# Altium PCB PCB1.PcbDoc
Units mm, origin at the board's own origin, x right, y up, seen from the top; angles counter-clockwise.
Board outline 100 x 55 mm, 2 copper layers (Top Layer, Bottom Layer); 52 components, 39 nets, 154 pads, 25 vias.
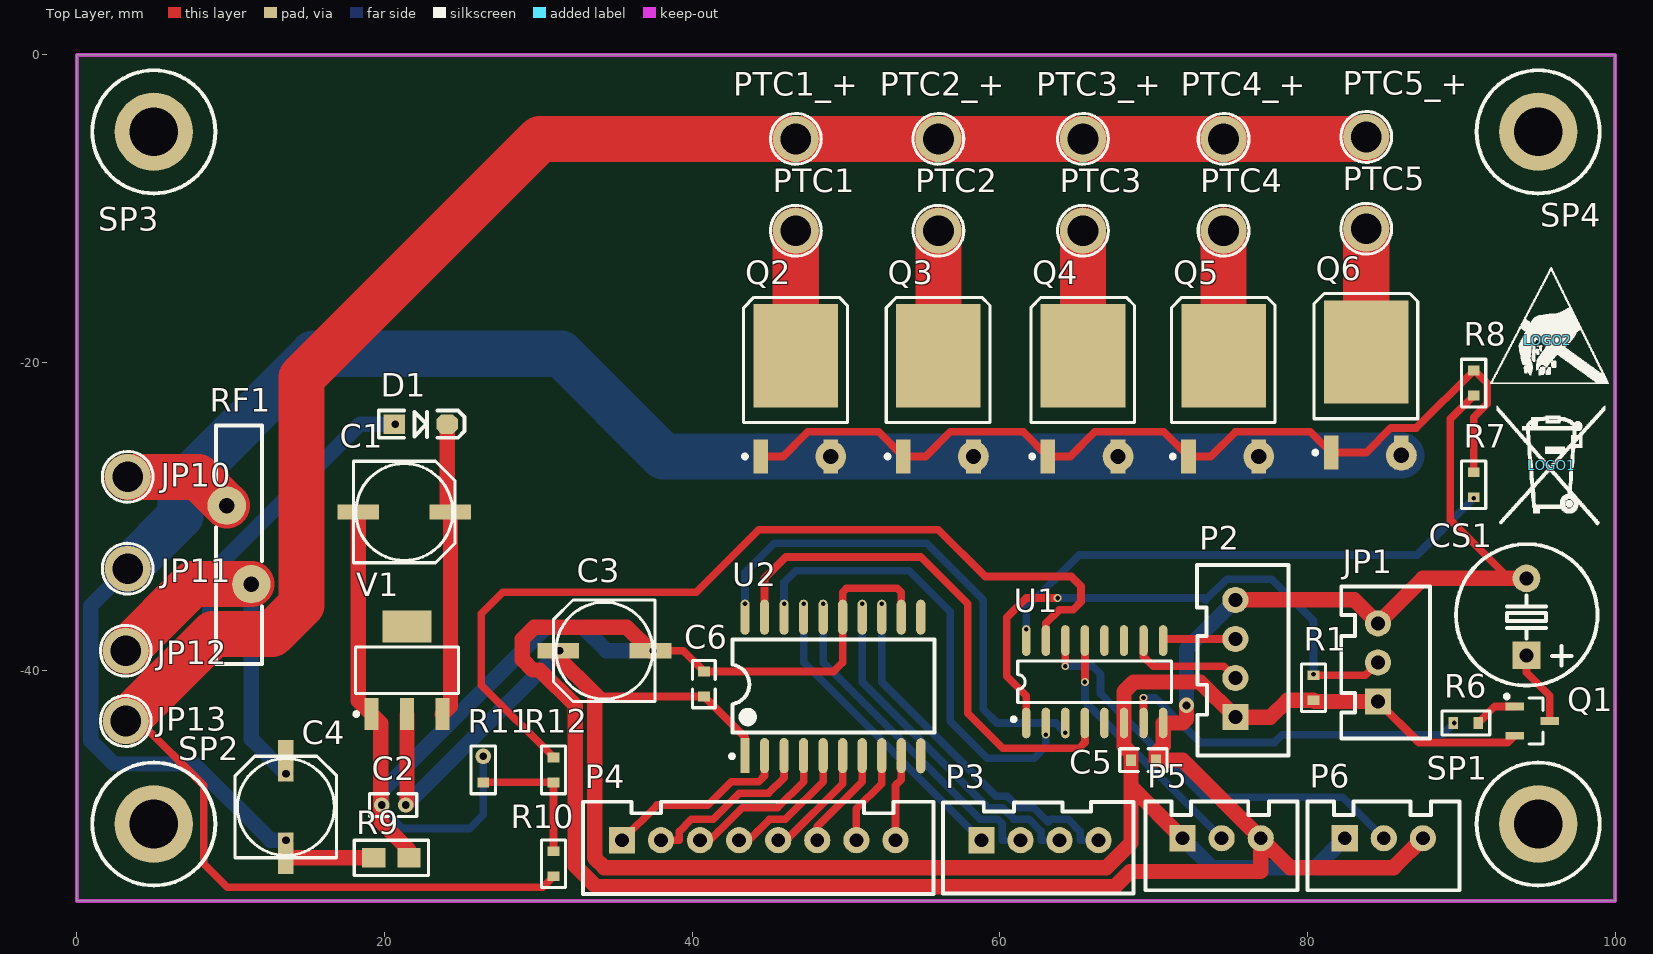
[diagram p0: Top Layer view]
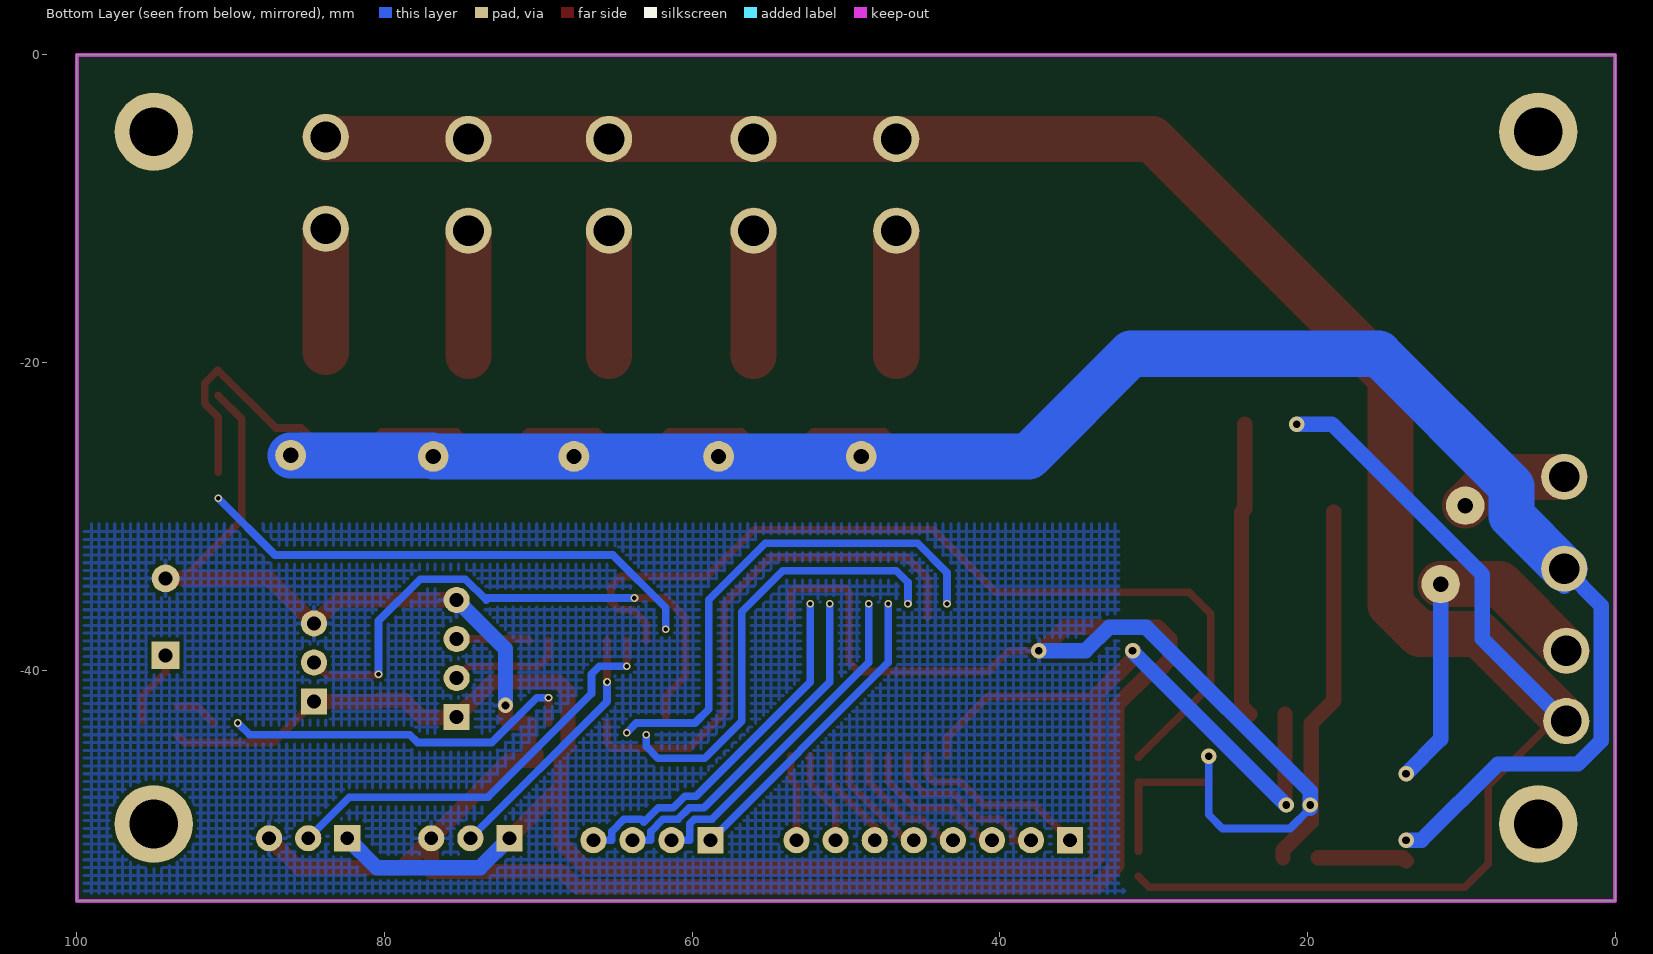
[diagram p1: Bottom Layer view, seen from below]
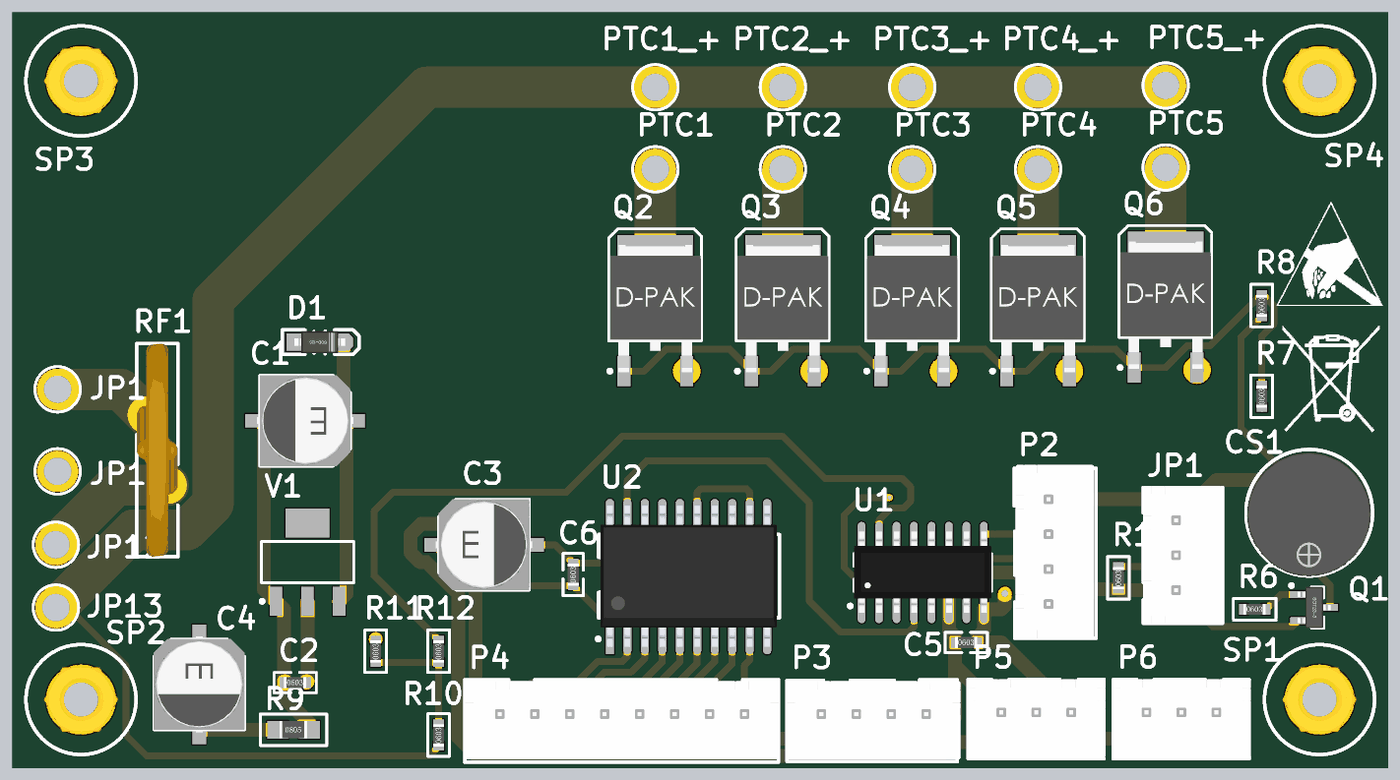
[diagram p2: 3D render of the assembled board from above, using the file's embedded part models]

## Layer stack, top to bottom
Top Solder: solder mask 0.0102, Solder Resist, Dk 3.5
Top Layer: signal copper 0.0356
Dielectric 1: dielectric 0.32, FR-4, Dk 4.8
Bottom Layer: signal copper 0.0356
Bottom Solder: solder mask 0.0102, Solder Resist, Dk 3.5

## Board outline
0,-55 0,0 100,0 100,-55

## Design rules (kind name [scope] priority, off if disabled: settings)
Clearance [All] p1: gap=0.254 ignorepadtopadclearanceinfootprint=FALSE except(0: Arc-Hole Track-Hole SMDPad-Hole THPad-Hole Via-Hole Fill-Hole Poly-Hole Region-Hole Text-Hole)
PolygonConnect [All] p1: connectstyle=Relief reliefconductorwidth=0.254 reliefentries=4 polygonreliefangle="90 Angle" airgapwidth=0.254
RoomDefinition Sheet1 [InComponentClass('Sheet1')] p1: confinementstyle=ConfineIn formatcopy=TRUE lockcomponents=FALSE outline 0,-55 100,-55 100,0 0,0
RoutingVias [All] p1: holewidth=0.711 width=1.27 viastyle="Through Hole" minholewidth=0.711 minwidth=1.27 maxholewidth=0.711 maxwidth=1.27
SolderMaskExpansion [All] p1: expansion=0.102
Width [All] p1: maxlimit=3 minlimit=0.254 preferedwidth=0.5
30 further rules are at their usual default settings.

## Components (designator, comment, footprint, x,y, rotation, side; value= is the part's Value field where it differs from the comment)
C1 "Cap Pol2" CAP6.3 21.285,-29.718 r180 top value=47uf/50V
C2 "Cap" 0603C 20.574,-48.768 r0 top value=0.01uf
C3 "Cap Pol2" CAP6.3 34.29,-38.735 r0 top value=220uf/10V
C4 "Cap Pol2" CAP6.3 13.589,-48.895 r270 top value=47uf/50V
C5 "Cap" 0603C 69.342,-45.847 r0 top value=0.01uf
C6 "Cap" 0603C 40.767,-40.894 r90 top value=0.01uf
CS1 "DC5V" "BEEP 5x9x5.5" 94.234,-36.536 r0 top
D1 "1N4148W" SOD-123 22.352,-24.003 r0 top
JP1 "HDR-1X3" XH2.54-LI-3P 84.582,-39.497 r90 top
JP10 "冷压插片" "TEST 2.6" 3.302,-27.432 r0 top
JP11 "冷压插片" "TEST 2.6" 3.302,-33.401 r0 top
JP12 "冷压插片" "TEST 2.6" 3.175,-38.735 r0 top
JP13 "冷压插片" "TEST 2.6" 3.175,-43.307 r0 top
LOGO1 "LOGO" ICO3 95.885,-26.67 r0 top
LOGO2 "LOGO" ICO1 95.631,-18.542 r0 top
P2 "Header 4" XH2.54-LI-4P 75.311,-39.243 r90 top
P3 "Header 4" XH2.54-LI-4P 62.611,-51.054 r0 top
P4 "Header 8" XH2.54-LI-8P 44.323,-51.054 r0 top
P5 "Header 3" XH2.54-LI-3P 74.422,-50.927 r0 top
P6 "Header 3" XH2.54-LI-3P 84.963,-50.927 r0 top
PTC1 "冷压插片" "TEST 2.6" 46.736,-11.43 r0 top
PTC1_+ "冷压插片" "TEST 2.6" 46.736,-5.461 r90 top
PTC2 "冷压插片" "TEST 2.6" 56.007,-11.43 r90 top
PTC2_+ "冷压插片" "TEST 2.6" 56.007,-5.461 r90 top
PTC3 "冷压插片" "TEST 2.6" 65.405,-11.43 r90 top
PTC3_+ "冷压插片" "TEST 2.6" 65.405,-5.461 r90 top
PTC4 "冷压插片" "TEST 2.6" 74.549,-11.43 r90 top
PTC4_+ "冷压插片" "TEST 2.6" 74.549,-5.461 r90 top
PTC5 "冷压插片" "TEST 2.6" 83.82,-11.303 r90 top
PTC5_+ "冷压插片" "TEST 2.6" 83.82,-5.334 r90 top
Q1 "SS8550" SOT23-3N 94.615,-43.307 r270 top
Q2 "IRF3710" TO252 46.736,-21.708 r90 top
Q3 "IRF3710" TO252 56.007,-21.708 r90 top
Q4 "IRF3710" TO252 65.405,-21.708 r90 top
Q5 "IRF3710" TO252 74.549,-21.708 r90 top
Q6 "IRF3710" TO252 83.82,-21.454 r90 top
R1 "Res1" 0603R 80.391,-41.148 r90 top value=1K
R6 "Res1" 0603R 90.297,-43.434 r0 top value=1K
R7 "Res1" 0603R 90.805,-27.94 r90 top value=470Ω
R8 "Res1" 0603R 90.805,-21.336 r90 top value=2K
R9 "Res1" 0805R 19.304,-52.197 r0 top value=0Ω
R10 "Res1" 0603R 30.988,-52.578 r90 top value=10K
R11 "Res1" 0603R 26.416,-46.482 r90 top value=2K
R12 "Res1" 0603R 30.988,-46.482 r90 top value=100Ω
RF1 "FR60-160B" FR60-160B 10.541,-32.004 r270 top
SP1 "M3铜柱" M3x4_L 95,-50 r0 top
SP2 "M3铜柱" M3x4_L 5,-50 r0 top
SP3 "M3铜柱" M3x4_L 5,-5 r0 top
SP4 "M3铜柱" M3x4_L 95,-5 r0 top
U1 "STC15W408AD_SOP16_DIP16" SOP16 66.167,-40.767 r90 top
U2 "TM1620" SOP20 48.514,-41.021 r90 top
V1 "AMS1117-3V3" SOT223_L 21.463,-40.005 r90 top

## Footprints (in the part's own frame and the unit in brackets; to place one, negate y for a bottom-side part, rotate by r counter-clockwise, add the part's x,y. Pads: shape width x height; smd on the part's side, far side on the other; paste and mask are expansions set on the pad)
0603C [mil] "1.6mmx0.8mm（蒜米工坊）"
  rect 25x30 smd: 1(-32,0) 2(32,0)
  silkscreen extent -61,-29 60,29, body extent -32,-16 31,16, height 18
0603R [mil]
  rect 25x30 smd: 1(-32,0) 2(32,0)
  silkscreen extent -61,-31 61,31, body extent -32,-16 31,16, height 18
0805R [mil]
  rect 60x50 smd: 1(0,0) 2(90,0)
  silkscreen extent -50,-45 140,45, body extent 5,-25 83,25, height 22
"BEEP 5x9x5.5" [mm] "5*9*5.5mm(脚距,直径,高度)"
  rect 1.8x1.8 hole 0.9: 1(0,-2.5)
  round 1.8 hole 0.9: 2(0,2.5)
  silkscreen extent -4.58,-4.47 4.62,4.72, body extent -4.5,-4.5 4.5,4.5, height 5.45
CAP6.3 [mm] "直径6.3mm（蒜米工坊）"
  rect 2.7x1 smd: 1(-3,0) 2(3,0)
  silkscreen extent -3.3,-3.3 3.3,3.3, body extent -3.5,-3.3 3.5,3.3, height 5.2
FR60-160B [mm] "直径15.5mm，厚度3mm，脚距5.1mm"
  round 2.5 hole 1: 1(-2.7,-0.8) 2(2.4,0.8)
  silkscreen extent -7.9,-1.5 7.6,1.5, body extent -7.9,-1.5 7.6,1.5, height 18.5
ICO1 [mm]
  silkscreen extent -3.76,-2.82 3.96,4.75
ICO3 [mm]
  silkscreen extent -3.58,-3.86 3.48,3.86
M3x4_L [mm] "M3铜柱，长：4mm"
  round 5.08 hole 3.175: 1(0,0)
  silkscreen extent -4,-4 4,4, body extent -2.7,-2.35 2.7,2.35, height 4.05
SOD-123 [mil] "2.7x1.6X1.1mm（长宽高，不包括引脚）"
  rect 55x50 smd: 1(-67.5,0)
  oct 55x50 smd: 2(67.5,0)
  silkscreen extent -108,-35 112,35, body extent -73,-31 73,31, height 48
SOP16 [mm] "（蒜米工坊）"
  oval 2x0.55 smd: 1(-2.667,4.445) 2(-2.667,3.175) 3(-2.667,1.905) 4(-2.667,0.635) 5(-2.667,-0.635) 6(-2.667,-1.905) 7(-2.667,-3.175) 8(-2.667,-4.445) 9(2.692,-4.445) 10(2.692,-3.175) 11(2.692,-1.905) 12(2.692,-0.635) 13(2.692,0.635) 14(2.692,1.905) 15(2.692,3.175) 16(2.692,4.445)
  silkscreen extent -2.55,-5 1.37,5.39, body extent -2.92,-4.99 2.98,4.99, height 1.45
SOP20 [mm] "（蒜米工坊）"
  rect 2.286x0.6 smd: 1(-4.534,5.08)
  oval 2.286x0.6 smd: 2(-4.534,3.81) 3(-4.534,2.54) 4(-4.534,1.27) 5(-4.534,0) 6(-4.534,-1.27) 7(-4.534,-2.54) 8(-4.534,-3.81) 9(-4.534,-5.08) 10(-4.544,-6.35) 11(4.465,-6.35) 12(4.465,-5.08) 13(4.465,-3.81) 14(4.465,-2.54) 15(4.465,-1.27) 16(4.465,0) 17(4.465,1.27) 18(4.465,2.54) 19(4.465,3.81) 20(4.465,5.08)
  silkscreen extent -4.7,-7.24 3.03,6.05, body extent -5.15,-7.03 5.15,5.77, height 2.7
SOT23-3N [mm] "3x1.3x1mm(长宽高)"
  rect 0.5x1.2 smd: 1(-0.95,-1.143) 2(0.95,-1.143) 3(0,1.143)
  silkscreen extent -1.72,-1.78 1.5,0.7, body extent -1.5,-1.2 1.5,1.2, height 1.05
SOT223_L [mm] "SOT223, 4-Leads, Body 6.5x3.5mm, Pitch 2.3mm, Lead Span 7mm, IPC High Density"
  rect 2.1x0.9 smd: 1(-2.85,2.3) 2(-2.85,0) 3(-2.85,-2.3)
  rect 2.1x3.2 smd: 4(2.85,0)
  silkscreen extent -2.97,-3.35 1.5,3.42, body extent -1.85,-3.35 1.85,3.35, height 1.7
"TEST 2.6" [mm] "测试点2.6mm"
  round 2.6 smd paste-2.6: 1(0,0)
  silkscreen extent -1.65,-1.65 1.65,1.65
TO252 [mm] "D-PAK  / SOT-428"
  rect 2.2x0.95 smd: 1(-4.4,2.28) 3(-4.4,-2.28)
  rect 6.7x5.5 smd: 2(2.15,0)
  silkscreen extent -4.52,-3.35 5.94,3.43, body extent -4.47,-3.3 4.78,3.3, height 2.31
XH2.54-LI-3P [mm] "接插件，3P"
  rect 1.7x1.7 hole 0.9: 1(-2.54,0)
  round 1.7 hole 0.9: 2(0,0) 3(2.54,0)
  silkscreen extent -4.95,-3.38 4.93,2.39, body extent -5.04,-3.3 5.04,2.4, height 7.03
XH2.54-LI-4P [mm] "接插件，4P"
  rect 1.7x1.7 hole 0.9: 1(-3.81,0)
  round 1.7 hole 0.9: 2(-1.27,0) 3(1.27,0) 4(3.81,0)
  silkscreen extent -6.3,-3.45 6.07,2.49, body extent -6.31,-3.3 6.31,2.4, height 7.03
XH2.54-LI-8P [mm] "接插件，8P"
  rect 1.7x1.7 hole 0.9: 1(-8.89,0)
  round 1.7 hole 0.9: 2(-6.35,0) 3(-3.81,0) 4(-1.27,0) 5(1.27,0) 6(3.81,0) 7(6.35,0) 8(8.89,0)
  silkscreen extent -11.43,-3.5 11.36,2.5, body extent -11.39,-3.3 11.39,2.4, height 7.05

## Part data
C1 C3 C4: "Polarized Capacitor (Axial)", LatestRevisionDate=17-Jul-2002, LatestRevisionNote="Re-released for DXP Platform.", PackageDescription="Polarized Capacitor; 2 Leads", PackageReference=POLAR0.8, Published=8-Jun-2000, Publisher="Altium Limited"
C2 C5 C6: "Capacitor", LatestRevisionDate=17-Jul-2002, LatestRevisionNote="Re-released for DXP Platform.", PackageDescription="Radial Cap, Thru-Hole; 2 Leads; 0.3 in Pin Spacing", PackageReference=RAD-0.3, Published=8-Jun-2000, Publisher="Altium Limited"
CS1: library part BEEP, "蜂鸣器", BOM名称=蜂鸣器, 学习资源=www.ooocke.com, 版权归属=源创客
D1: library part "D Schottky", "Schottky Diode", Code_JEDEC=DO-214-AA, LatestRevisionDate=17-Jul-2002, LatestRevisionNote="Re-released for DXP Platform.", PackageDescription="DO-214-AA/SMB; 2 C-Bend Leads; Body 5.3 x 3.6 mm, inc. leads (LxW)", PackageReference=SMB, Published=8-Jun-2000, Publisher="Altium Limited"
JP1: library part "Header 3", "3P接插件", BOM名称=3P接插件, 学习资源=www.ooocke.com, 版权归属=源创客
LOGO1 LOGO2: library part 铜柱加头大焊盘, "铜柱", BOM名称=铜柱, 学习资源=www.ooocke.com, 版权归属=源创客
P2 P3: "Header, 4-Pin", LatestRevisionDate=17-Jul-2002, LatestRevisionNote="Re-released for DXP Platform.", Publisher="Altium Limited"
P4: "Header, 8-Pin", LatestRevisionDate=17-Jul-2002, LatestRevisionNote="Re-released for DXP Platform.", Publisher="Altium Limited"
P5 P6: "Header, 3-Pin", LatestRevisionDate=17-Jul-2002, LatestRevisionNote="Re-released for DXP Platform.", Publisher="Altium Limited"
Q1: library part 8550-SMD, "高频放大-PNP型", BOM名称=高频放大-PNP型, 学习资源=www.ooocke.com, 属性="40V 1.5A 1W 100MHZ", 版权归属=源创客
Q2 Q3 Q4 Q5 Q6: "N沟场效应管", BOM名称=N沟场效应管, 学习资源=www.ooocke.com, 版权归属=源创客
R1 R6 R7 R8 R9 R10 R11 R12: "Resistor", LatestRevisionDate=17-Jul-2002, LatestRevisionNote="Re-released for DXP Platform.", PackageDescription="Axial Device, Thru-Hole; 2 Leads; 0.3 in Pin Spacing", PackageReference=AXIAL-0.3, Published=8-Jun-2000, Publisher="Altium Limited"
RF1: library part PPTC, "PPTC自恢复保险丝", BOM名称=PPTC自恢复保险丝, 学习资源=www.ooocke.com, 版权归属=源创客
SP1 SP2 SP3 SP4: library part 铜柱小焊盘, "铜柱", BOM名称=铜柱, 学习资源=www.ooocke.com, 版权归属=源创客
V1: library part AMS1117, "三端稳压芯片", BOM名称=稳压芯片, 学习资源=www.ooocke.com, 版权归属=源创客
JP10 JP11 JP12 JP13 PTC1 PTC1_+ PTC2 PTC2_+ PTC3 PTC3_+ PTC4 PTC4_+ PTC5 PTC5_+: BOM名称=10P接插件, 学习资源=www.ooocke.com, 版权归属=源创客

## Free pads (board coordinates)
  round 3 hole 2: 1(3.175,-43.307) 1(3.175,-38.735) 1(3.302,-33.401) 1(3.302,-27.432) 1(46.736,-11.43) 1(46.736,-5.461) 1(56.007,-11.43) 1(56.007,-5.461) 1(65.405,-11.43) 1(65.405,-5.461) 1(74.549,-11.43) 1(74.549,-5.461) 1(83.82,-11.303) 1(83.82,-5.334)
  round 2 hole 1: 8(49.016,-26.108) 9(58.287,-26.108) 10(67.685,-26.108) 11(76.829,-26.108) 12(86.106,-26.035)

## Via types
v1: diameter 0.5, hole 0.3, Top Layer to Bottom Layer, 16 vias
v2: diameter 1, hole 0.5, Top Layer to Bottom Layer, 9 vias

## Nets (pads, with @x,y where several pads share a name; then routed paths per layer and width w, separated by ;. In a path a pad name is that pad's centre, name@x,y a point inside that pad or via, vN(x,y) a via of type N, cw(c..) or ccw(c..) an arc to the next point about the centre after c; other vN are vias at no path point)
5V: C2.2 C3.1 C5.1 C6.1 JP1.1 P2.1 P5.1 P6.1 Q1.2 R1.1 U1.6 U2.1 V1.2 | length 137.8
  Top Layer w0.5: 33.833,-41.707 C6.1 43.434,-44.374 U2.1 ; JP1.1 87.249,-44.704 93.025,-44.704 Q1.2
  Top Layer w1: v2(21.387,-48.768) 21.463,-48.692 V1.2 ; C3.1 31.29,-39.164 33.655,-41.529 ; 33.833,-41.707 33.655,-41.529 ; P5.1 68.529,-47.574 ; JP1.1 80.467,-42.037 R1.1 78.689,-41.961 77.597,-43.053 P2.1 73.025,-40.767 68.707,-40.767 68.072,-41.402 U1.6 68.072,-44.958 68.529,-45.415 C5.1 68.529,-47.574 ; 33.655,-41.529 33.655,-52.197 34.29,-52.832 66.929,-52.832 68.529,-51.232 68.529,-47.574
  Bottom Layer w1: v2(21.387,-48.768) 31.369,-38.786 v2(31.369,-38.735) ; P5.1 73.787,-52.832 80.518,-52.832 P6.1
12V: D1.1 JP13.1 pad.1@3.175,-43.307 pad.1@46.736,-5.461 pad.1@56.007,-5.461 pad.1@65.405,-5.461 pad.1@74.549,-5.461 pad.1@83.82,-5.334 PTC1_+.1 PTC2_+.1 PTC3_+.1 PTC4_+.1 PTC5_+.1 R10.1 | length 168.5
  Top Layer w0.5: JP13.1 3.205,-43.307 4.064,-43.307 8.255,-47.498 8.255,-52.578 9.779,-54.102 30.277,-54.102 R10.1
  Top Layer w3: JP13.1@3.205,-43.307 8.854,-37.658 12.689,-37.658 14.595,-35.752 14.595,-20.965 30.099,-5.461 PTC1_+.1 PTC2_+.1 PTC3_+.1 PTC4_+.1 83.693,-5.461 PTC5_+.1
  Bottom Layer w1: pad.1@3.175,-43.307 3.302,-43.307 8.636,-37.973 8.636,-33.782 18.415,-24.003 v2(20.701,-24.003)
12V_in: C4.1 JP12.1 pad.1@3.175,-38.735 RF1.2 | length 23.2
  Top Layer w3: JP12.1 7.506,-34.404 RF1.2
  Bottom Layer w1: RF1.2 11.341,-44.488 v2(13.589,-46.736)
AGND: C4.2 JP11.1 pad.1@3.302,-33.401 pad.8 pad.9 pad.10 pad.11 pad.12 Q2.3 Q3.3 Q4.3 Q5.3 Q6.3 R9.1 | length 127
  Top Layer w1: C4.2@13.589,-52.403 13.795,-52.197 R9.1
  Bottom Layer w1: pad.1@3.302,-34.544 3.302,-33.401 0.889,-35.814 0.889,-44.577 2.413,-46.101 7.62,-46.101 12.573,-51.054 v2(13.589,-51.054)
  Bottom Layer w2: pad.11 pad.11@76.902,-26.035
  Bottom Layer w3: pad.1@3.302,-33.401 6.737,-29.966 6.737,-28.06 15.366,-19.431 31.463,-19.431 38.14,-26.108 pad.8 pad.9 pad.10 pad.11 ; pad.11@76.902,-26.035 pad.12
BEEP: R6.1 U1.7 | length 23.6
  Top Layer w0.5: U1.7 v1(69.342,-41.783)
  Bottom Layer w0.5: v1(69.342,-41.783) 70.104,-41.783 73.025,-44.704 77.851,-44.704 78.359,-44.196 88.773,-44.196 v1(89.535,-43.434)
DGND: C1.2 C2.1 C3.2 C5.2 C6.2 CS1.2 JP1.3 P2.4 P5.3 P6.3 R8.1 R9.2 R11.2 U1.8 U2.12 U2.15 V1.1 | length 225.1
  Top Layer w0.5: C3.2 v2(37.465,-38.735) 39.421,-38.735 C6.2 49.2,-40.081 49.784,-39.497 U2.15 49.784,-34.925 50.038,-34.671 53.34,-34.671 53.594,-34.925 U2.12 ; R8.1 89.281,-23.673 89.281,-30.226 93.091,-34.036
  Top Layer w1: C1.2 18.285,-41.977 V1.1 19.761,-43.453 C2.1 19.761,-49.86 21.59,-51.689 R9.2 ; C3.2 35.766,-37.211 29.718,-37.211 28.956,-37.973 28.956,-39.317 29.628,-39.989 30.083,-39.989 32.401,-42.307 32.401,-52.716 33.771,-54.086 67.448,-54.086 68.448,-53.086 76.962,-53.086 P5.3 ; v2(72.136,-42.291) 72.136,-43.18 71.882,-43.434 U1.8 70.612,-44.958 70.155,-45.415 C5.2 71.882,-45.847 P5.3 ; P2.4 83.058,-35.433 JP1.3 87.503,-34.036 93.091,-34.036 CS1.2 ; P6.3 85.598,-52.832 78.867,-52.832 P5.3
  Bottom Layer w0.5: v2@19.812,-48.967 21.137,-50.292 25.527,-50.292 26.416,-49.403 v2(26.416,-45.593)
  Bottom Layer w1: v2@19.812,-48.967 v2(19.812,-48.768) 19.812,-47.879 30.48,-37.211 32.893,-37.211 34.417,-38.735 v2(37.465,-38.735) ; v2(72.136,-42.291) 72.136,-38.608 P2.4
DS18B20_IO: JP1.2 R1.2 U1.1 | length 37.6
  Top Layer w0.5: U1.1 61.722,-41.656 60.452,-40.386 60.452,-36.576 61.722,-35.306 v1(63.754,-35.306) ; R1.2 83.744,-40.335 JP1.2
  Bottom Layer w0.5: v1(63.754,-35.306) 73.269,-35.306 73.396,-35.433 74.75,-34.079 77.681,-34.079 80.391,-36.789 v1(80.391,-40.259)
GRID1: P3.1 U2.17 | length 20.2
  Bottom Layer w0.5: v1(47.244,-35.687) 47.244,-39.497 P3.1
GRID2: P3.2 U2.16 | length 22
  Bottom Layer w0.5: v1(48.514,-35.687) 48.514,-39.497 58.717,-49.7 59.86,-49.7 60.155,-49.995 60.155,-51.054 P3.2
GRID3: P3.3 U2.14 | length 22.5
  Bottom Layer w0.5: v1(51.054,-35.687) 51.054,-40.767 59.233,-48.946 60.172,-48.946 60.926,-49.7 61.902,-49.7 62.695,-50.493 62.695,-51.054 P3.3
GRID4: P3.4 U2.13 | length 23.9
  Bottom Layer w0.5: v1(52.324,-35.687) 52.324,-40.767 59.749,-48.192 60.484,-48.192 61.238,-48.946 62.214,-48.946 63.144,-49.876 63.32,-49.7 64.442,-49.7 65.235,-50.493 65.235,-51.054 P3.4
NetC1_1: C1.1 D1.2 V1.3 | length 19.2
  Top Layer w1: V1.3 24.285,-42.333 C1.1 24.066,-29.499 D1.2
NetCS1_1: CS1.1 Q1.3 | length 4.9
  Top Layer w0.5: CS1.1 94.234,-40.132 95.758,-41.656 Q1.3
NetJP10_1: JP10.1 pad.1@3.302,-27.432 RF1.1 | length 7.2
  Top Layer w3: JP10.1 7.869,-27.432 RF1.1
NetQ1_1: Q1.1 R6.2 | length 2.8
  Top Layer w0.5: R6.2 92.187,-42.357 Q1.1
NetR10_2: R10.2 R11.1 R12.1 | length 9
  Top Layer w0.5: R11.1 R12.1 R10.2
PTC1: pad.1@46.736,-11.43 PTC1.1 Q2.2 | length 8.1
  Top Layer w3: Q2.2 PTC1.1
PTC2: pad.1@56.007,-11.43 PTC2.1 Q3.2 | length 8.1
  Top Layer w3: Q3.2 PTC2.1
PTC3: pad.1@65.405,-11.43 PTC3.1 Q4.2 | length 8.1
  Top Layer w3: Q4.2 PTC3.1
PTC4: pad.1@74.549,-11.43 PTC4.1 Q5.2 | length 8.1
  Top Layer w3: Q5.2 PTC4.1
PTC5: pad.1@83.82,-11.303 PTC5.1 Q6.2 | length 8
  Top Layer w3: Q6.2 PTC5.1
PTC_OUT: Q2.1 Q3.1 Q4.1 Q5.1 Q6.1 R7.2 R8.2 | length 61.1
  Top Layer w0.5: Q2.1 45.908,-26.108 47.512,-24.504 52.123,-24.504 Q3.1 55.179,-26.108 56.783,-24.504 61.521,-24.504 Q4.1 64.577,-26.108 66.181,-24.504 70.665,-24.504 Q5.1 73.721,-26.108 75.325,-24.504 80.19,-24.504 Q6.1 83.812,-25.854 85.416,-24.25 87.078,-24.25 R8.2 90.873,-20.523 91.69,-21.34 91.69,-22.675 90.805,-23.56 R7.2
PTC_OUT_PIN: R7.1 U1.16 | length 33.4
  Bottom Layer w0.5: v1(61.722,-37.338) 61.722,-35.941 65.151,-32.512 87.122,-32.512 v1(90.805,-28.829)
RXD: P2.3 U1.9 | length 4.7
  Top Layer w0.5: U1.9 70.714,-37.973 P2.3
SEG1: P4.1 U2.2 | length 12.3
  Top Layer w0.5: P4.1 37.719,-48.768 41.021,-48.768 42.545,-47.244 44.323,-47.244 44.704,-46.863 U2.2
SEG2: P4.2 U2.3 | length 11.4
  Top Layer w0.5: P4.2 39.159,-51.054 39.159,-50.493 39.952,-49.7 41.359,-49.7 43.053,-48.006 44.958,-48.006 45.974,-46.99 U2.3
SEG3: P4.3 U2.4 | length 10
  Top Layer w0.5: P4.3 41.148,-51.054 41.699,-50.503 41.699,-50.493 43.246,-48.946 45.542,-48.946 47.244,-47.244 U2.4
SEG4: P4.4 U2.5 | length 8.7
  Top Layer w0.5: P4.4 43.688,-51.054 44.239,-50.503 44.239,-50.493 45.032,-49.7 46.058,-49.7 48.514,-47.244 U2.5
SEG5: P4.5 U2.6 | length 7.5
  Top Layer w0.5: P4.5 46.101,-51.054 49.784,-47.371 U2.6
SEG6: P4.6 U2.7 | length 6.7
  Top Layer w0.5: P4.6 48.133,-50.165 51.054,-47.244 U2.7
SEG7: P4.7 U2.8 | length 6.2
  Top Layer w0.5: P4.7 50.673,-49.022 52.324,-47.371 U2.8
SEG8: P4.8 U2.9 | length 5.7
  Top Layer w0.5: P4.8 53.213,-47.498 53.594,-47.117 U2.9
TEMP_DOWN_BUTTON: P5.2 U1.13 | length 16.5
  Top Layer w0.5: v1(65.532,-40.767) U1.13
  Bottom Layer w0.5: v1(65.532,-40.767) 65.532,-42.037 P5.2
TEMP_UP_BUTTON: P6.2 U1.14 | length 27.8
  Top Layer w0.5: v1(64.262,-39.751) U1.14
  Bottom Layer w0.5: v1(64.262,-39.751) 66.04,-39.751 66.548,-40.259 66.548,-41.529 73.279,-48.26 82.296,-48.26 P6.2
TM1620_CLK: U1.4 U2.19 | length 34.7
  Top Layer w0.5: U2.19 44.704,-34.036 46.101,-32.639 54.864,-32.639 57.912,-35.687 57.912,-42.799 60.198,-45.085 65.151,-45.085 65.532,-44.704 U1.4
TM1620_DIN: U1.2 U2.18 | length 29
  Bottom Layer w0.5: v1(45.974,-35.687) 45.974,-34.29 46.736,-33.528 54.102,-33.528 56.769,-36.195 56.769,-43.307 59.182,-45.72 62.23,-45.72 62.992,-44.958 v1(62.992,-44.196)
TM1620_STB: U1.3 U2.20 | length 32.9
  Bottom Layer w0.5: v1(43.434,-35.687) 43.434,-33.655 45.339,-31.75 55.245,-31.75 58.928,-35.433 58.928,-42.545 59.817,-43.434 63.627,-43.434 v1(64.262,-44.069)
TXD: P2.2 U1.10 | length 7.6
  Top Layer w0.5: U1.10 69.342,-39.116 69.977,-39.751 74.549,-39.751 P2.2
V_AD: R12.2 U1.15 | length 59.1
  Top Layer w0.5: R12.2 26.289,-40.97 26.289,-36.322 27.686,-34.925 40.259,-34.925 44.323,-30.861 56.007,-30.861 59.055,-33.909 64.643,-33.909 65.278,-34.544 65.278,-35.56 64.77,-36.068 63.881,-36.068 62.992,-36.957 U1.15
pads on no net: SP1.1 SP2.1 SP3.1 SP4.1 U1.5 U1.11 U1.12 U2.10 U2.11 V1.4

## Polygon pours and split planes (outlines as drawn)
DGND on Bottom Layer "Multi-Layer-No Net" (hatched 90Degree grid 0.508 track 0.203, remove dead copper, pour order 0): 99.822,-30.48 99.822,-54.737 32.258,-54.737 31.877,-54.356 32.258,-53.975 32.258,-30.48

## Keep-outs
Keep-Out Layer:
  the board outline again, w0.254